# Altium PCB Flight_Controller.PcbDoc (part 1 of 2) (continued)
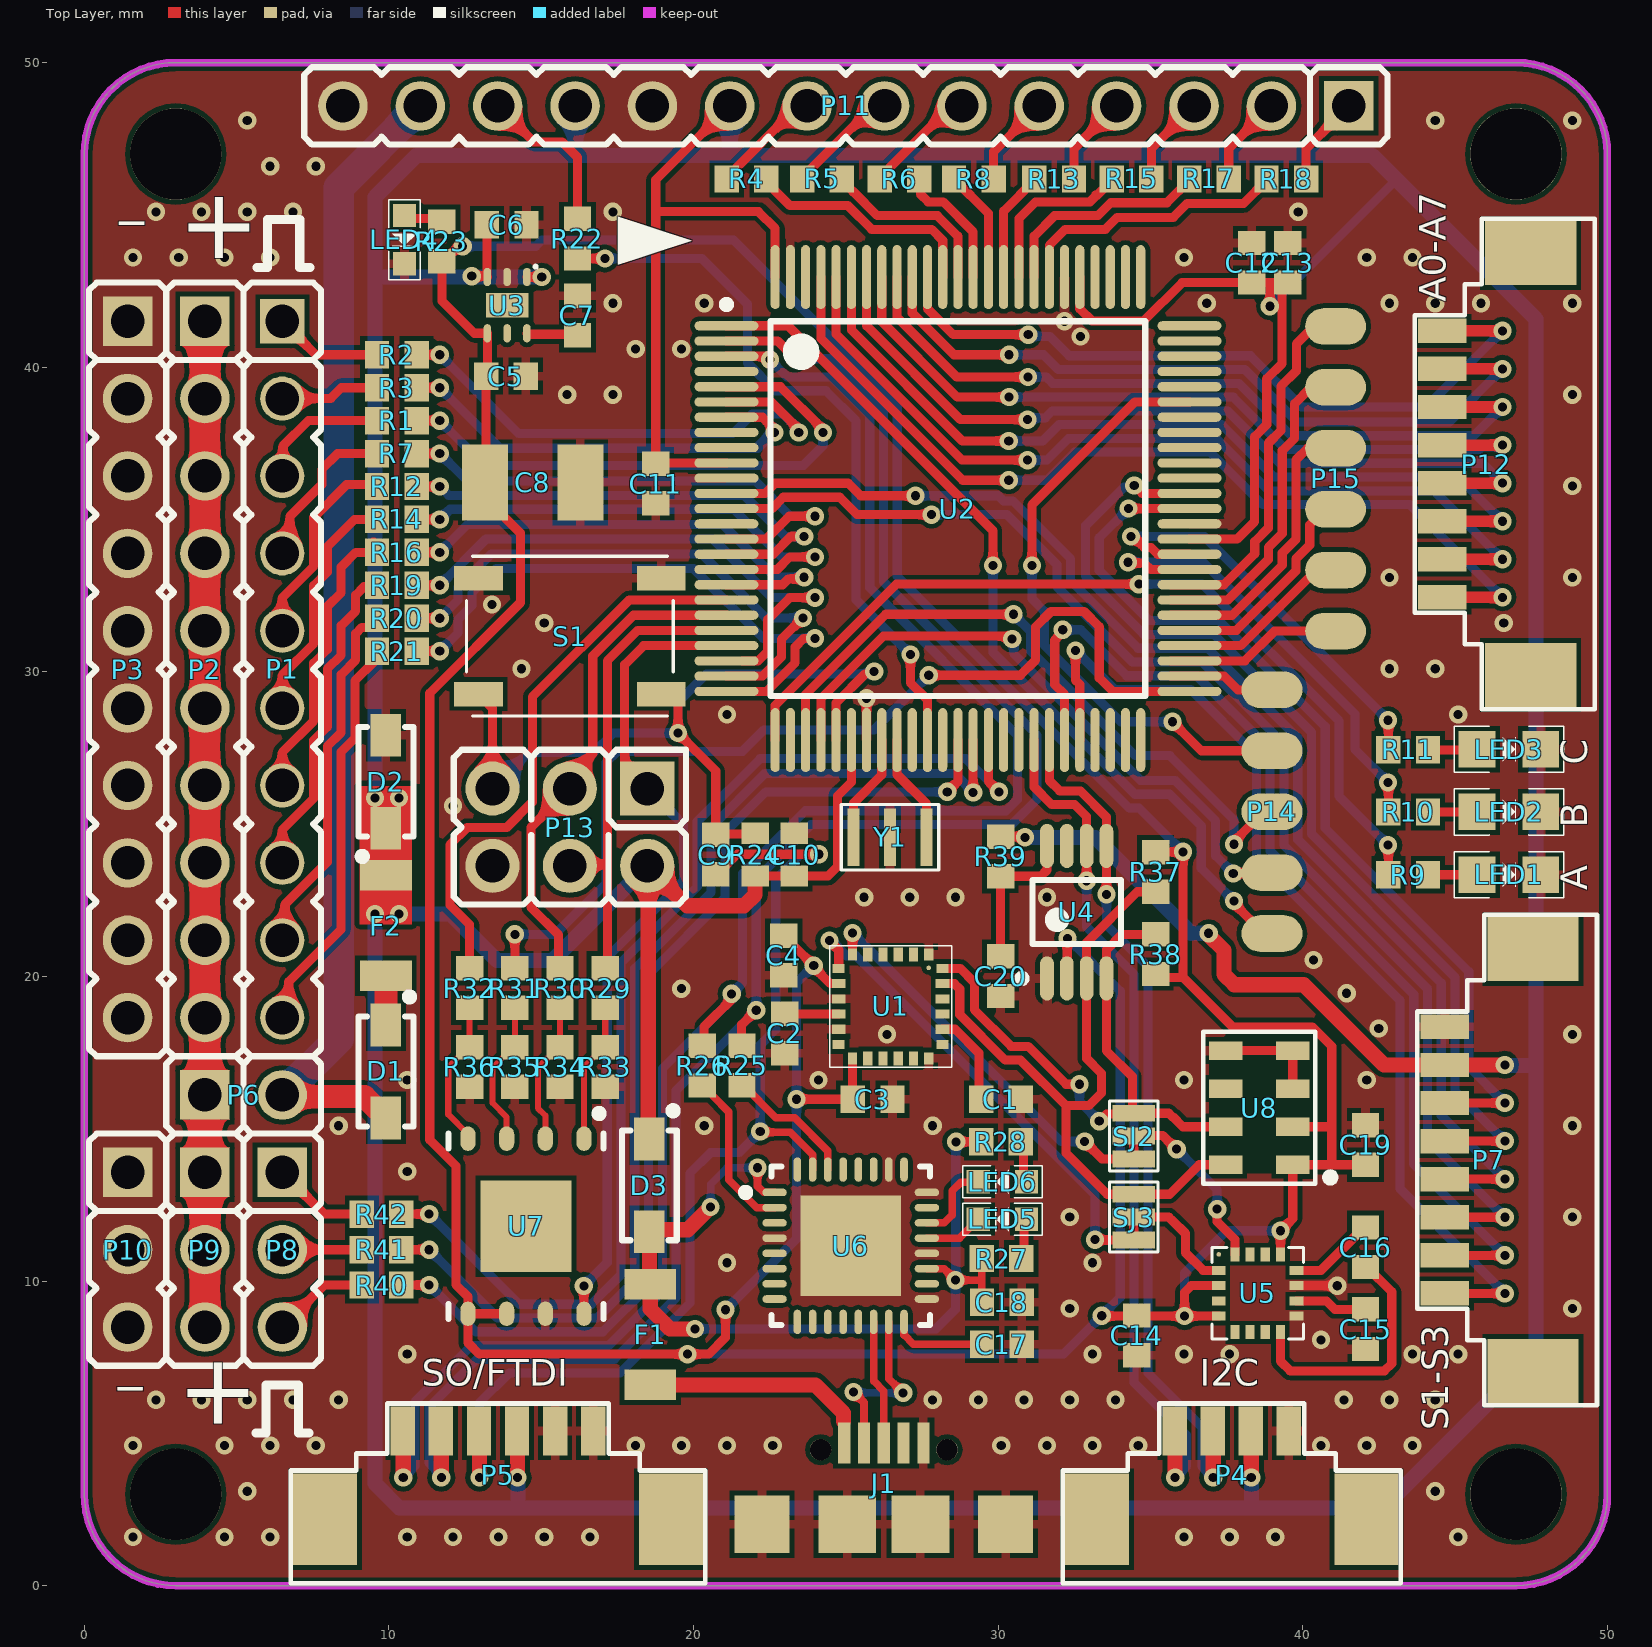
[diagram p0: Top Layer view]
## Footprints (in the part's own frame and the unit in brackets; to place one, negate y for a bottom-side part, rotate by r counter-clockwise, add the part's x,y. Pads: shape width x height; smd on the part's side, far side on the other; paste and mask are expansions set on the pad) (continued)
L0603_RED [mil]
  rect 30x30 smd: 1(31.1,0) 2(-31.1,0)
  silkscreen extent -52,-20 52,20, body extent -32,-16 32,16, height 43
L0805_GRE [mm]
  rect 1.2x1.2 smd: 1(1.05,0) 2(-1.05,0)
  silkscreen extent -1.8,-0.76 1.8,0.76, body extent -1.01,-0.62 1.01,0.63, height 1.1
L0805_RED [mm]
  rect 1.2x1.2 smd: 1(1.05,0) 2(-1.05,0)
  silkscreen extent -1.8,-0.76 1.8,0.76, body extent -1.01,-0.62 1.01,0.63, height 1.1
L0805_YEL [mm]
  rect 1.2x1.2 smd: 1(1.05,0) 2(-1.05,0)
  silkscreen extent -1.8,-0.76 1.8,0.76, body extent -1.01,-0.62 1.01,0.63, height 1.1
"LGA 16 - 3x3" [mm]
  round 0.15 smd mask+0.025: 0(-1.275,1.275)
  rect 0.45x0.3 smd mask+0.05: 1(-1.275,0.75) 2(-1.275,0.25) 3(-1.275,-0.25) 4(-1.275,-0.75) 9(1.275,-0.75) 10(1.275,-0.25) 11(1.275,0.25) 12(1.275,0.75)
  rect 0.3x0.45 smd mask+0.05: 5(-0.75,-1.275) 6(-0.25,-1.275) 7(0.25,-1.275) 8(0.75,-1.275) 13(0.75,1.275) 14(0.25,1.275) 15(-0.25,1.275) 16(-0.75,1.275)
  silkscreen extent -1.5,-1.5 1.5,1.5, body extent -1.5,-1.5 1.5,1.5, height 0.9
"LGA 24" [mm]
  round 0.15 smd mask+0.025: 0(-1.265,1.25)
  rect 0.39x0.3 smd mask+0.05: 1(-1.705,1.25) 6(-1.705,-1.25) 13(1.705,-1.25) 18(1.705,1.25)
  rect 0.45x0.3 smd mask+0.05: 2(-1.705,0.75) 3(-1.705,0.25) 4(-1.705,-0.25) 5(-1.705,-0.75) 14(1.705,-0.75) 15(1.705,-0.25) 16(1.705,0.25) 17(1.705,0.75)
  rect 0.3x0.39 smd mask+0.05: 7(-1.25,-1.705) 12(1.25,-1.705) 19(1.25,1.705) 24(-1.25,1.705)
  rect 0.3x0.45 smd mask+0.05: 8(-0.75,-1.705) 9(-0.25,-1.705) 10(0.25,-1.705) 11(0.75,-1.705) 20(0.75,1.705) 21(0.25,1.705) 22(-0.25,1.705) 23(-0.75,1.705)
  silkscreen extent -2,-2 2,2, body extent -2,-2 2,2, height 1.08
LOGO_ESD [mm]
  silkscreen extent -3.12,-2.13 2.8,3.18
MICRO_USB [mm]
  round 0.7 hole 0.7 unplated mask+0: 0(-2.075,1.115) 0(2.075,1.115)
  rect 0.4x1.35 smd: 1(-1.3,1.34) 2(-0.65,1.34) 3(0,1.34) 4(0.65,1.34) 5(1.3,1.34)
  rect 1.8x1.9 smd: 6(-4,-1.335) 6(4,-1.335)
  rect 1.9x1.9 smd: 6(-1.2,-1.335) 6(1.2,-1.335)
  body extent -3.99,-4.09 3.99,1.34, height 2.72
"MOLEX-CONN-PicoBlade 4POS 1.25MM" [mm] "MOLEX-0530480210"
  rect 2.1x3 smd mask+0.05: 0(-4.425,-1.45) 0(4.425,-1.45)
  rect 0.8x1.6 smd mask+0.05: 1(1.875,1.45) 2(0.625,1.45) 3(-0.625,1.45) 4(-1.875,1.45)
  silkscreen extent -5.55,-3.55 5.55,2.35, body extent -5.07,-3.55 5.07,1.65, height 3.4
"MOLEX-CONN-PicoBlade 6POS 1.25MM" [mm] "MOLEX-0530480210"
  rect 2.1x3 smd mask+0.05: 0(-5.675,-1.45) 0(5.675,-1.45)
  rect 0.8x1.6 smd mask+0.05: 1(3.125,1.45) 2(1.875,1.45) 3(0.625,1.45) 4(-0.625,1.45) 5(-1.875,1.45) 6(-3.125,1.45)
  silkscreen extent -6.8,-3.55 6.8,2.35, body extent -6.32,-3.55 6.32,1.65, height 3.4
"MOLEX-CONN-PicoBlade 8POS 1.25MM" [mm] "MOLEX-0530480210"
  rect 2.1x3 smd mask+0.05: 0(-6.925,-1.45) 0(6.925,-1.45)
  rect 0.8x1.6 smd mask+0.05: 1(4.375,1.45) 2(3.125,1.45) 3(1.875,1.45) 4(0.625,1.45) 5(-0.625,1.45) 6(-1.875,1.45) 7(-3.125,1.45) 8(-4.375,1.45)
  silkscreen extent -8.05,-3.55 8.05,2.35, body extent -7.57,-3.55 7.57,1.65, height 3.4
MS5611-01BA01 [mm] "Board Mount Pressure Sensors"
  rect 1.1x0.6 smd mask+0.05: 1(-1.1,1.875) 2(-1.1,0.625) 3(-1.1,-0.625) 4(-1.1,-1.875) 5(1.1,-1.875) 6(1.1,-0.625) 7(1.1,0.625) 8(1.1,1.875)
  Top Layer pour cut-out: -1.65,1.575 -0.55,1.575 -0.55,2.175 0.55,2.175 0.55,1.575 1.65,1.575 1.65,0.925 0.55,0.925 0.55,0.325 1.65,0.325 1.65,-0.325 0.55,-0.325 0.55,-0.925 1.65,-0.925 1.65,-1.575 0.55,-1.575 0.55,-2.175 -0.55,-2.175 -0.55,-1.575 -1.65,-1.575 -1.65,-0.925 -0.55,-0.925 -0.55,-0.325 -1.65,-0.325 -1.65,0.325 -0.55,0.325 -0.55,0.925 -1.65,0.925
  silkscreen extent -2.6,-2.5 1.84,2.55, body extent -1.5,-2.5 1.5,2.5, height 1.7
"PAD-1x5 2MM" [mm]
  oval 1.2x2 smd: 1(0,0) 2(2,0) 3(4,0) 4(6,0) 5(8,0)
"PAD-1x6 2MM" [mm]
  oval 1.2x2 smd: 1(0,0) 2(2,0) 3(4,0) 4(6,0) 5(8,0) 6(10,0)
"Pin Header 1x3 TH Pitch 2.54mm" [mil] "PinHeader 1x1 TH Pitch 2.54mm"
  rect 64x64 hole 43.31: 1(0,0)
  round 64 hole 43.31: 2(0,-100) 3(0,-200)
  silkscreen extent -50,-250 50,50, body extent -50,-250 50,50, height 374
"Pin Header 1x10 TH Pitch 2.54mm"#1 [mm] "PinHeader 1x1 TH Pitch 2.54mm"
  rect 1.45x1.45 hole 1.1: 1(0,0)
  round 1.45 hole 1.1: 2(0,-2.54) 3(0,-5.08) 4(0,-7.62) 5(0,-10.16) 6(0,-12.7) 7(0,-15.24) 8(0,-17.78) 9(0,-20.32) 10(0,-22.86)
  silkscreen extent -1.27,-24.13 1.27,1.27, body extent -1.27,-24.13 1.27,1.27, height 9.5
"Pin Header 1x10 TH Pitch 2.54mm"#2 [mm] "PinHeader 1x1 TH Pitch 2.54mm"
  rect 1.626x1.626 hole 1.1: 1(0,0)
  round 1.626 hole 1.1: 2(0,-2.54) 3(0,-5.08) 4(0,-7.62) 5(0,-10.16) 6(0,-12.7) 7(0,-15.24) 8(0,-17.78) 9(0,-20.32) 10(0,-22.86)
  silkscreen extent -1.27,-24.13 1.27,1.27, body extent -1.27,-24.13 1.27,1.27, height 9.5
"Pin Header 1x14 TH Pitch 2.54mm" [mil] "PinHeader 1x1 TH Pitch 2.54mm"
  rect 64x64 hole 43.31: 1(0,0)
  round 64 hole 43.31: 2(0,-100) 3(0,-200) 4(0,-300) 5(0,-400) 6(0,-500) 7(0,-600) 8(0,-700) 9(0,-800) 10(0,-900) 11(0,-1000) 12(0,-1100) 13(0,-1200) 14(0,-1300)
  silkscreen extent -50,-1350 50,50, body extent -50,-1350 50,50, height 374
"Pin Header 2x3 TH Pitch 2.54mm" [mil] "PinHeader 1x1 TH Pitch 2.54mm"
  rect 70x70 hole 43.31: 1(0,0)
  round 70 hole 43.31: 2(0,100) 3(100,0) 4(100,100) 5(200,0) 6(200,100)
  silkscreen extent -50,-50 250,150, body extent -50,-50 250,150, height 374
"Pin Header S/M 02x1 TH Pitch 2.54mm" [mil] "PinHeader 1x1 TH Pitch 2.54mm"
  rect 64x64 hole 43.31: 1(0,0)
  round 64 hole 43.31: 2(0,-100)
  silkscreen extent -50,-150 50,50, body extent -50,-150 50,50, height 374
QFN-32 [mm] "32-Pin QFN 0.5 mm Pitch"
  oval 0.8x0.25 smd: 1(2.5,-1.75) 2(2.5,-1.25) 3(2.5,-0.75) 4(2.5,-0.25) 5(2.5,0.25) 6(2.5,0.75) 7(2.5,1.25) 8(2.5,1.75) 17(-2.5,1.75) 18(-2.5,1.25) 19(-2.5,0.75) 20(-2.5,0.25) 21(-2.5,-0.25) 22(-2.5,-0.75) 23(-2.5,-1.25) 24(-2.5,-1.75)
  oval 0.25x0.8 smd: 9(1.75,2.5) 10(1.25,2.5) 11(0.75,2.5) 12(0.25,2.5) 13(-0.25,2.5) 14(-0.75,2.5) 15(-1.25,2.5) 16(-1.75,2.5) 25(-1.75,-2.5) 26(-1.25,-2.5) 27(-0.75,-2.5) 28(-0.25,-2.5) 29(0.25,-2.5) 30(0.75,-2.5) 31(1.25,-2.5) 32(1.75,-2.5)
  rect 3.3x3.3 smd: 33(0,0)
  silkscreen extent -2.6,-2.6 3.57,2.6, body extent -2.5,-2.5 2.5,2.5, height 0.85
R0603(1608)#1 [mm] "Chip Capacitor, Body 1.0x0.5mm, Height 0.6mm, IPC Low Density"
  rect 0.8x0.9 smd mask+0.05: 1(-0.65,0) 2(0.65,0)
  body extent -0.8,-0.4 0.8,0.4, height 0.45
R0603(1608)#2 [mm] "Chip Capacitor, Body 1.0x0.5mm, Height 0.6mm, IPC Low Density"
  rect 0.7x0.9 smd mask+0.05: 1(-0.7,0) 2(0.7,0)
  body extent -0.8,-0.4 0.8,0.4, height 0.45
SOD-123 [mm] "Molded Diode, 2-Leads, Body 3,4x1,6mm, IPC Low Density"
  rect 1.4x1 smd: 1(-1.525,0) 2(1.525,0)
  silkscreen extent -2.57,-0.9 1.8,0.9, body extent -1.85,-0.77 1.85,0.78, height 1.35
SWITCH_PTS525SM15 [mm]
  rect 1.6x0.8 smd mask+0.05: 1(-3,1.9) 2(3,1.9) 3(-3,-1.9) 4(3,-1.9)
  silkscreen extent -3.39,-2.63 3.39,2.62, body extent -3.2,-2.63 3.2,2.62, height 1.5
TANT_C1411(3528) [mm]
  rect 1.5x2.5 smd mask+0.05: 1(-1.566,0) 2(1.566,0)
  body extent -1.75,-1.4 1.75,1.4, height 1.91
XTAL_RESONATOR_3.2x1.3 [mm] "CER RES 16.0000MHZ 15PF SMD AUTO"
  rect 0.4x1.9 smd mask+0.05: 1(-1.2,0) 2(1.2,0) 3(0,0)
  silkscreen extent -1.6,-1.08 1.6,1.08, body extent -1.6,-0.65 1.6,0.65, height 0.7

## Part data
C1 C2 C3 C4 C5 C6 C7 C9 C10 C11 C12 C13 C14 C15 C16 C17 C18 C19 C20: library part Cap, "Capacitor"
C8: library part "Cap Pol1", "Tantalum Capacitor"
D1 D2 D3: library part Diode, "Default Diode", Code_JEDEC=DO-214-AB, LatestRevisionDate=17-Jul-2002, LatestRevisionNote="Re-released for DXP Platform.", PackageDescription="DO-214-AB/SMC; 2 C-Bend Leads; Body 7.9 x 5.9 mm, inc. leads (LxW)", PackageReference=SMC, PackageVersion=Sep-1996, Published=8-Jun-2000, Publisher="Altium Limited"
F1 F2: library part Res2, "Ferrite Bead"
J1: library part MINI_USB, "I/O Connector"
LOGO1: library part MECHANIC
P1: library part "Header 10", "Header, 10-Pin", LatestRevisionDate=17-Jul-2002, LatestRevisionNote="Re-released for DXP Platform.", Publisher="Altium Limited"
P2 P3: "Header, 10-Pin", LatestRevisionDate=17-Jul-2002, LatestRevisionNote="Re-released for DXP Platform.", Publisher="Altium Limited"
P4: library part "Header 4", "Header, 4-Pin"
P5: library part "Header 6", "Header, 6-Pin"
P6: library part "Header 2", "Header, 2-Pin"
P7 P12: library part "Header 8", "Header, 8-Pin"
P8 SJ2 SJ3: library part "Header 3", "Header, 3-Pin", LatestRevisionDate=17-Jul-2002, LatestRevisionNote="Re-released for DXP Platform.", Publisher="Altium Limited"
P9 P10: "Header, 3-Pin", LatestRevisionDate=17-Jul-2002, LatestRevisionNote="Re-released for DXP Platform.", Publisher="Altium Limited"
P11: "Header, 14-Pin", LatestRevisionDate=17-Jul-2002, LatestRevisionNote="Re-released for DXP Platform.", Publisher="Altium Limited"
P13: "JTAG"
P14: "Header, 5-Pin", LatestRevisionDate=17-Jul-2002, LatestRevisionNote="Re-released for DXP Platform.", Publisher="Altium Limited"
P15: "Header, 6-Pin", LatestRevisionDate=17-Jul-2002, LatestRevisionNote="Re-released for DXP Platform.", Publisher="Altium Limited"
R1 R2 R3 R4 R5 R6 R7 R8 R9 R10 R11 R12 R13 R14 R15 R16 R17 R18 R19 R20 R21 R22 R23 R24 R25 R26 R27 R28 R29 R30 R31 R32 R33 R34 R35 R36 R37 R38 R39 R40 R41 R42: library part R, "Resistor"
S1: "Switch", Manufacturer="ITT C&K", Manufacturer Part Number=PTS525SM15SMTR2LFS, Max Operating Temperature=70°C, Min Operating Temperature=-20°C, Operating Force=160gf, Supplier Part Number 1=CKN9104CT-ND, Actuator Material=Nylon,Polyamide, Actuator Type=Standard, Illumination Type=Non-Illuminated, Lead Free="Lead Free", Mechanical Life=1000000Cycles, Mount="Surface Mount", Packaging="Cut Tape", Pricing 1="1 = 0.33000, 10 = 0.32000, 25 = 0.30840, 50 = 0.29680, 100 = 0.28540, 250 = 0.26260, 500 = 0.22834, 1000 = 0.19409 (USD)", RoHS=Yes, Stock 1=389377, Supplier 1=Digi-Key, Switch Function=Off-Mom, Switch Travel=0.25mm, Termination="Gull Wing", Throw Configuration=SPST
U1: library part MPU-9150, "IMU ACCEL/GYRO 3-AXIS I2C 24QFN", Case/Package=QFN, Manufacturer="TDK InvenSense", Max Operating Temperature=85°C, Max Supply Voltage=3.6V, Min Operating Temperature=-40°C, Min Supply Voltage=2.5V, Package Quantity=5000, Supplier Part Number 1=1428-1007-1-ND, ComponentLink1Description=http://www.farnell.com/datasheets/1788002.pdf?src-supplier=Element14, ComponentLink1URL=http://www.farnell.com/datasheets/1788002.pdf?src-supplier=Element14, Height=0.9mm, Interface=I2C, Length=4.1mm, Manufacturer Part Number=MPU-6050, Mount="Surface Mount", Number of Pins=24, Output Type=Digital, Packaging="Cut Tape", Pricing 1="1 = 8.310000, 5 = 7.288000, 10 = 6.559000, 25 = 5.830000, 50 = 5.392800, 100 = 4.664000, 500 = 4.372500, 1000 = 4.081000 (USD)", REACH SVHC="No SVHC", RoHS=Yes, Sensitivity=16384LSB/g, Stock 1=12300, Supplier 1=Digi-Key, Width=4.1mm
U2: library part IC, "IC MCU 8BIT 256KB FLASH 100TQFP", Manufacturer=Atmel, Manufacturer Part Number=ATMEGA2560-16AUR, Operating Temperature="-40°C ~ 85°C", Package / Case=100-TQFP, Supplier Device Package="100-TQFP (14x14)", Supplier Part Number 1=ATMEGA2560-16AURCT-ND, Voltage - Supply (Vcc/Vdd)="4.5 V ~ 5.5 V", Category="Integrated Circuits (ICs)", ComponentLink1Description=http://www.atmel.com/Images/Atmel-2549-8-bit-AVR-Microcontroller-ATmega640-1280-1281-2560-2561_Summary.pdf, ComponentLink1URL=http://www.atmel.com/Images/Atmel-2549-8-bit-AVR-Microcontroller-ATmega640-1280-1281-2560-2561_Summary.pdf, Connectivity="EBI/EMI, I²C, SPI, UART/USART", Core Processor=AVR, Core Size=8-Bit, Data Converters="A/D 16x10b", EEPROM Size="4K x 8", Number of I/O=86, Oscillator Type=Internal, Packaging="Cut Tape (CT)", Peripherals="Brown-out Detect/Reset, POR, PWM, WDT", Pricing 1="1=17.28, 10=15.685, 25=14.5428, 100=13.3245, 250=12.1824, 500=11.34486 (USD)", Program Memory Size="256KB (128K x 16)", Program Memory Type=FLASH, RAM Size="8K x 8", RoHS="RoHS Compliant", Speed=16MHz, Stock 1=9312, Supplier 1=Digi-Key
U3: library part MIC5219-3.3YML, "IC REG LDO 3.3V 0.5A 6MLF", Current - Limit (Min)=-, Current - Output=500mA, Manufacturer="Micrel Inc.", Operating Temperature="-40°C ~ 125°C", Package / Case="6-VQFN Exposed Pad, 6-MLF®", Supplier Device Package="6-MLF® (2x2)", Supplier Part Number 1=576-2768-1-ND, Voltage - Dropout (Typical)="0.35V @ 500mA", Voltage - Input="Up to 12V", Voltage - Output=3.3V, Category="Integrated Circuits (ICs)", ComponentLink1Description=http://www.micrel.com/_PDF/mic5219.pdf, ComponentLink1URL=http://www.micrel.com/_PDF/mic5219.pdf, Manufacturer Part Number="MIC5219-3.3YML TR", Mounting Type="Surface Mount", Number of Regulators=1, Packaging="Cut Tape (CT)", Pricing 1="1=2.74, 10=2.477, 25=2.2188, 100=1.9952, 250=1.7716, 500=1.548, 1000=1.2814, 2500=1.1954 (USD)", Regulator Topology="Positive Fixed", RoHS="RoHS Compliant", Stock 1=10244, Supplier 1=Digi-Key
U4: "Dual bidirectional I2C-bus and SMBus voltage-level translator", Manufacturer="NXP Semiconductors", Manufacturer Part Number=PCA9306DP1,125, Operating Temperature="-40°C ~ 85°C (TA)", Package / Case="8-TSSOP, 8-MSOP (0.118\", 3.00mm Width)", Supplier Device Package=8-TSSOP, Supplier Part Number 1=568-4243-1-ND, Voltage - VCCA="1 V ~ 3.6 V", Voltage - VCCB="1.8 V ~ 5.5 V", Category="Integrated Circuits (ICs)", Channels per Circuit=2, Channel Type=Bidirectional, ComponentLink1Description=http://www.nxp.com/documents/data_sheet/PCA9306.pdf, ComponentLink1URL=http://www.nxp.com/documents/data_sheet/PCA9306.pdf, Data Rate=-, Features="Auto-Direction Sensing", Input Signal=-, Mounting Type="Surface Mount", Number of Circuits=1, Output Signal=-, Output Type="Open Drain", Packaging="Cut Tape (CT)", Pricing 1="1=0.74, 10=0.646, 100=0.494, 500=0.3914, 1000=0.3135 (USD)", RoHS="RoHS Compliant", Stock 1=21322, Supplier 1=Digi-Key, Translator Type="Voltage Level"
U5: "IC COMPASS 3 AXIS I2C 16LCC SMD"
U6: library part IC_FT232RQ, "FT232R USB UART", Current - Supply=15mA, Manufacturer="FTDI, Future Technology Devices International Ltd", Manufacturer Part Number=FT232RQ-REEL, Operating Temperature="-40°C ~ 85°C", Package / Case="32-VFQFN Exposed Pad", Supplier Device Package="32-QFN Exposed Pad (5x5)", Supplier Part Number 1=768-1008-1-ND, Voltage - Supply="3.3 V ~ 5.25 V", Category="Integrated Circuits (ICs)", ComponentLink1Description=http://www.ftdichip.com/Support/Documents/DataSheets/ICs/DS_FT232R.pdf, ComponentLink1URL=http://www.ftdichip.com/Support/Documents/DataSheets/ICs/DS_FT232R.pdf, Function="Bridge, USB to UART", Interface=UART, Packaging="Cut Tape (CT)", Pricing 1="1=4.5, 10=4.05, 50=3.85, 100=3.65, 250=3.25, 500=3.05 (USD)", Protocol=USB, RoHS="RoHS Compliant", Standards="USB 2.0", Stock 1=15537, Supplier 1=Digi-Key
U7: "SPI Flash Memory", Manufacturer="Adesto Technologies", Manufacturer Part Number=AT45DB161E-MHD2B-T, Operating Temperature="-40°C ~ 85°C", Package / Case="8-UDFN Exposed Pad", Supplier Device Package="8-UDFN (5x6)", Supplier Part Number 1=1265-1129-1-ND, Voltage - Supply="2.5 V ~ 3.6 V", Category="Integrated Circuits (ICs)", ComponentLink1Description=http://www.adestotech.com/wp-content/uploads/doc8782.pdf, ComponentLink1URL=http://www.adestotech.com/wp-content/uploads/doc8782.pdf, Format - Memory=FLASH, Interface="SPI, RapidS", Memory Size="16M (4096 pages x 512 bytes)", Memory Type=DataFLASH, Packaging="Cut Tape (CT)", Pricing 1="1=2.67, 10=2.398, 25=2.36, 50=2.353, 100=2.1022, 250=2.03436, 500=2.0263, 1000=1.88715, 2500=1.8561 (USD)", RoHS="RoHS Compliant", Speed=85MHz, Stock 1=6995, Supplier 1=Digi-Key
U8: library part SENSOR, "Barometric Pressure Sensor"
Y1: library part XTAL, "CER RES 16.0000MHZ 15PF SMD AUTO", Supplier Part Number 1=490-17949-1-ND, Supplier 1=Digi-Key

## Free pads (board coordinates)
  round 3 hole 3 unplated: 0(3,3) 0(3,47) 0(47,3) 0(47,47)

## Via types
v1: diameter 0.6, hole 0.3, Top Layer to Bottom Layer, tented both sides, 245 vias

## Nets (pads, with @x,y where several pads share a name; then routed paths per layer and width w, separated by ;. In a path a pad name is that pad's centre, name@x,y a point inside that pad or via, vN(x,y) a via of type N, cw(c..) or ccw(c..) an arc to the next point about the centre after c; other vN are vias at no path point)
3V3: C3.2 C4.2 C5.2 C8.1 C14.2 C19.2 R23.2 R37.2 R38.2 U1.8 U1.13 U3.4 U4.2 U5.2 U5.4 U5.13 U7.5 U7.6 U8.1 U8.2 | length 167
  Top Layer w0.3: v1(12.42,43.97) 12.28,43.97 11.79,43.48 R23.2@11.74,43.48 11.74,42.18 12.805,41.115 U3.4@13.23,41.115 13.23,39.75 C5.2@13.19,39.71 C8.1@13.19,36.22 ; C8.1@13.154,36.22 13.154,35.72 C8.1@13.742,35.132 ; C8.1@13.742,35.95 C8.1@13.742,35.132 ; U7.6@13.865,8.925 U7.5@12.595,8.925 ; v1(21.05,9.06) 21.05,8.15 20.5,7.6 v1(19.8,7.6) 12.97,7.6 12.595,7.975 U7.5@12.595,8.925 ; C4.2@22.96,21.34 v1@23.898,20.402 ; v1(23.38,15.97) C3.2@25.23,15.97 25.22,15.98 U1.13@25.22,17.31 ; v1@23.898,20.36 24.493,19.765 U1.8@24.765,19.765 ; U4.2@32.255,19.935 32.267,19.947 32.267,21.238 v1(32.28,21.25) ; v1(33.4,8.86) 33.41,8.85 v1(36.12,8.85) ; R38.2@35.17,20.08 35.28,19.97 36.07,19.97 ; R37.2@35.18,24.09 v1(36.065,24.09) 36.07,24.085 36.07,19.97 ; U5.4@37.245,8.85 v1(36.12,8.85) ; U5.2@37.245,9.85 36.34,9.85 36.12,9.63 v1(36.12,8.85) ; U5.13@39.27,10.875 v1(39.27,11.65) 39.67,12.05 U8.1@39.67,13.815 39.672,13.817 40.95,13.817 ; U8.2@39.67,15.065 40.935,15.065 ; C19.2@42.06,13.82 42.058,13.817 40.95,13.817 ; U7.5@12.595,8.925 12.595,9.485 12.198,9.882 12.198,13.782 11.34,14.64 11.34,29.297 14.32,32.277 14.32,34.554 C8.1@13.742,35.132 ; 36.07,19.97 37.695,18.345 40.31,18.345 40.95,17.705 40.95,13.817
  Bottom Layer w0.3: v1(12.42,43.97) 14.819,43.97 15.021,44.172 21.316,44.172 26.688,38.8 26.688,33.144 34.304,25.528 34.627,25.528 v1(36.065,24.09) ; v1(19.8,7.6) 32.14,7.6 v1(33.4,8.86) 34.01,9.47 34.01,19.52 v1(32.28,21.25) ; v1(21.05,9.06) 23.38,11.39 v1(23.38,15.97) 23.38,19.79 v1(23.945,20.355) ; v1(36.12,8.85) 36.12,10.27 37.5,11.65 v1(39.27,11.65)
5V: C6.2 C10.2 C11.2 C12.2 C13.2 D2.1 D3.1 F2.2 P4.2 P5.3 P7.2 P11.9 P11.11 P13.2 R24.1 R39.2 U2.10 U2.31 U2.61 U2.80 U2.100 U3.1 U3.3 | length 276.4
  Top Layer w0.3: v1(12.72,42.99) 13.205,42.99 U3.3@13.223,42.973 ; C6.2@13.215,44.68 13.223,44.672 U3.3@13.223,42.973 ; U3.3@13.23,42.965 U3.3@13.223,42.973 ; U3.1@14.53,42.965 v1(15.015,42.965) ; U2.10@21.08,36.86 18.79,36.86 C11.2@18.76,36.83 18.76,45.11 ; P11.9@21.131,48.58 P11.9@21.19,48.58 18.76,46.15 18.76,45.11 ; R24.1@22.02,23.3 C10.2@23.3,23.3 24.42,23.3 24.722,23.602 24.722,25.922 25.18,26.38 U2.31@25.18,27.76 ; U2.100@22.68,42.96 22.68,44.56 22.13,45.11 18.76,45.11 ; R39.2@30.08,24.59 30.09,24.6 30.844,24.6 v1(30.878,24.566) ; U2.80@32.68,42.96 32.68,41.921 33.081,41.52 34.779,41.52 36.039,42.78 C12.2@38.32,42.78 38.87,42.78 ; U2.61@36.28,34.36 37.846,34.36 38.42,34.934 38.42,37.72 38.82,38.12 38.82,39.62 39.32,40.12 39.32,42.78 38.87,42.78 ; v1@36.91,21.359 v1(36.91,21.42) ; v1(38.92,42) 38.92,42.73 38.87,42.78 ; C13.2@39.46,42.78 C13.2@39.51,42.78
  Top Layer w0.5: P5.3@14.19,5.095 P5.3@14.205,5.08 ; v1(14.22,3.55) P5.3@14.22,5.065 ; P13.2@18.48,23.63 P13.2@18.515,23.595 ; D3.1@18.55,14.665 18.515,14.7 P13.2@18.515,23.595 ; R24.1@21.92,23.3 R24.1@22.02,23.3 22.02,22.68 21.66,22.32 19.79,22.32 P13.2@18.515,23.595 ; v1@36.91,21.359 37.41,20.859 37.41,20.07 37.75,19.73 40.03,19.73 42.665,17.095 P7.2@44.66,17.095 v1(46.635,17.095) ; v1(38.31,3.55) P4.2@38.31,5.065
  Top Layer w0.75: F2.2@9.9,23.32 D2.1@9.9,24.865
  Bottom Layer w0.3: v1(38.92,42) 43.055,46.135 43.055,46.185
  Bottom Layer w0.5: v1(10.33,25.86) v1(9.54,25.86) ; 14.19,2.55 38.32,2.55 ; v1@14.19,3.55 14.24,3.5 14.24,2.55 10.34,2.55 9.54,3.35 v1(9.54,22.05) ; v1(15.015,42.965) 9.585,42.965 9.54,43.01 ; P11.11@16.11,48.58 16.11,46.95 ; P13.2@18.48,23.63 15.371,20.52 13.55,20.52 12.02,22.05 v1(10.33,22.05) v1(9.54,22.05) ; P11.9@21.19,48.58 21.19,46.95 ; v1(30.878,24.566) 33.194,24.566 36.34,21.42 v1(36.91,21.42) ; v1(38.31,3.55) 38.32,3.54 38.32,2.55 ; v1(46.635,17.095) 46.654,17.076 47.634,17.076 47.66,17.05 ; v1(9.54,22.05) v1(9.54,25.86) ; v1(9.54,25.86) 9.54,43.01 ; 9.54,43.01 9.54,45.59 10.9,46.95 16.11,46.95 ; 16.11,46.95 21.19,46.95 ; 21.19,46.95 42.29,46.95 43.055,46.185 47.66,41.58 47.66,17.05 ; 38.32,2.55 42.64,2.55 47.66,7.57 47.66,17.05
5V-IN: D1.2 P6.2 P11.13 | length 38.1
  Top Layer w0.75: P6.2@6.5,16.11 6.555,16.055 9.2,16.055 D1.2@9.9,15.355
  Bottom Layer w1: P6.2@6.5,16.11 8.35,17.96 8.35,45.9 P11.13@11.03,48.58
5V_ESC: P2.1 P2.2 P2.3 P2.4 P2.5 P2.6 P2.7 P2.8 P2.9 P2.10 P6.1 P9.1 P9.2 P9.3 | length 33
  Top Layer w1: P9.3@3.96,8.49 P9.2@3.96,11.03 P9.1@3.96,13.57 P2.10@3.96,18.65 P2.9@3.96,21.19 P2.8@3.96,23.73 P2.7@3.96,26.27 P2.6@3.96,28.81 P2.5@3.96,31.35 P2.4@3.96,33.89 P2.3@3.96,36.43 P2.2@3.96,38.97 P2.1@3.96,41.51
D\T\R\: C9.1 P5.4 U6.31 | length 35.8
  Top Layer w0.25: v1(22.19,14.91) 22.215,14.885 23.175,14.885 23.91,14.15 U6.31@23.91,13.66
  Top Layer w0.3: C9.1@20.73,23.35 20.78,23.35 21.44,24.01 v1(24.12,24.01)
  Top Layer w0.5: v1(12.97,3.55) P5.4@12.97,5.065
  Bottom Layer w0.3: v1(12.97,3.55) 12.97,6 13.948,6.978 17.583,6.978 19.88,9.275 19.88,13.54 20.56,14.22 21.5,14.22 v1(22.19,14.91) 22.19,17.751 22.7,18.261 22.7,23.19 23.52,24.01 v1(24.12,24.01)
GND: C1.1 C2.1 C3.1 C4.1 C5.1 C6.1 C7.1 C8.2 C10.1 C11.1 C12.1 C13.1 C14.1 C15.1 C17.1 C18.1 C19.1 C20.1 D2.2 J1.5 J1.6 LED1.2 LED2.2 LED3.2 LED4.2 P3.1 P3.2 P3.3 P3.4 P3.5 P3.6 P3.7 P3.8 P3.9 P3.10 P4.1 P5.1 P5.2 P7.1 P10.1 P10.2 P10.3 P11.10 P11.14 P13.6 R33.2 R34.2 R35.2 R36.2 S1.1 S1.2 U1.1 U1.9 U1.11 U1.18 U2.11 U2.32 U2.62 U2.81 U2.99 U3.2 U4.1 U5.9 U5.11 U6.4 U6.17 U6.20 U6.24 U6.26 U6.33 U7.7 U8.3 U8.4 U8.5 Y1.3 | length 6.2
  Top Layer w0.3: U2.32@25.68,27.76 v1(25.68,29.13) ; U8.5@37.47,17.565 U8.4@39.67,17.565 U8.3@39.67,16.315 ; U5.11@39.795,9.85 41.128,9.85 v1(41.13,9.848)
  other v1: 1.6,1.6 4.6,1.6 6.1,1.6 10.6,1.6 12.1,1.6 13.6,1.6 15.1,1.6 16.6,1.6 36.1,1.6 37.6,1.6 39.1,1.6 45.1,1.6 5.35,3.1 44.35,3.1 1.6,4.6 4.6,4.6 6.1,4.6 7.6,4.6 18.1,4.6 19.6,4.6 21.1,4.6 22.6,4.6 30.1,4.6 31.6,4.6 33.1,4.6 34.6,4.6 40.6,4.6 42.1,4.6 43.6,4.6 2.35,6.1 3.85,6.1 5.35,6.1 6.85,6.1 8.35,6.1 27.85,6.1 29.35,6.1 30.85,6.1 32.35,6.1 33.85,6.1 41.35,6.1 42.85,6.1 44.35,6.1 10.6,7.6 33.1,7.6 36.1,7.6 37.6,7.6 43.6,7.6 45.1,7.6 40.6,8.07 32.35,9.1 48.85,9.1 21.1,10.6 33.1,10.6 32.35,12.1 48.85,12.1 10.6,13.6 8.35,15.1 20.35,15.1 27.85,15.1 48.85,15.1 10.6,16.6 24.1,16.6 36.1,16.6 42.1,16.6 26.35,18.1 48.85,18.1 42.497,18.29 41.44,19.45 19.6,19.6 40.35,20.54 25.6,22.6 27.1,22.6 28.6,22.6 31.6,22.6 12.1,25.6 21.1,28.6 45.1,28.6 14.35,30.1 42.85,30.1 44.35,30.1 15.1,31.6 46.6,31.6 13.38,32.21 42.85,33.1 48.85,33.1 48.85,36.1 15.85,39.1 17.35,39.1 48.85,39.1 18.1,40.6 19.6,40.6 32.7,41.008 32.18,41.51 17.35,42.1 20.35,42.1 36.85,42.1 42.85,42.1 44.35,42.1 45.85,42.1 48.85,42.1 1.6,43.6 3.1,43.6 4.6,43.6 6.1,43.6 36.1,43.6 42.1,43.6 43.6,43.6 2.35,45.1 3.85,45.1 5.35,45.1 6.85,45.1 17.35,45.1 39.85,45.1 6.1,46.6 7.6,46.6 5.35,48.1 44.35,48.1 48.85,48.1
MISO: P13.4 R29.2 U2.21 | length 15.7
  Top Layer w0.3: P13.4@15.94,23.63 15.99,23.68 17.17,23.68 ; R29.2@17.17,20.27 17.17,23.68 ; U2.21@21.08,31.36 18.168,31.36 17.17,30.362 17.17,23.68
MOSI: P13.1 U2.22 U7.8 | length 27
  Top Layer w0.3: v1@16.398,9.8 16.398,8.932 U7.8@16.405,8.925 ; P13.1@18.48,26.17 17.738,26.912 17.738,30.238 18.36,30.86 U2.22@21.08,30.86
  Bottom Layer w0.3: v1(16.398,9.84) 17.168,10.61 17.168,20.634 19.671,23.137 19.671,24.979 P13.1@18.48,26.17
NetC1_2: C1.2 U1.20 | length 3
  Top Layer w0.3: U1.20@28.175,18.265 28.587,18.265 29.37,17.482 C1.2@29.37,15.97
NetC2_2: C2.2 U1.10 | length 1.5
  Top Layer w0.3: C2.2@23.29,18.78 23.305,18.765 U1.10@24.765,18.765
NetC7_2: C7.2 U3.6 | length 1.7
  Top Layer w0.3: U3.6@14.53,41.115 14.53,41.107 14.555,41.082 16.158,41.082 C7.2@16.19,41.05
NetC15_2: C15.2 U5.10 | length 2.4
  Top Layer w0.3: U5.10@39.795,9.35 40.776,9.35 41.056,9.07 C15.2@42.06,9.07
NetC16_1: C16.1 U5.8 | length 8.4
  Top Layer w0.3: U5.8@39.27,8.325 39.27,7.37 39.59,7.05 42.68,7.05 42.92,7.29 42.92,9.65 42.11,10.46 C16.1@42.06,10.46
NetC16_2: C16.2 U5.12 | length 2.8
  Top Layer w0.3: U5.12@39.795,10.35 40.6,10.35 42.01,11.76 C16.2@42.06,11.76
NetC20_2: C20.2 R39.1 U4.8 | length 5
  Top Layer w0.3: C20.2@30.08,20.66 R39.1@30.08,23.29 31.4,23.29 31.605,23.495 U4.8@31.605,24.285
NetD1_1: D1.1 F2.1 | length 1.6
  Top Layer w0.75: D1.1@9.9,18.405 F2.1@9.9,20.02
NetF1_1: F1.1 J1.1 | length 7
  Top Layer w0.5: F1.1@18.58,6.59 24,6.59 24.92,5.67 24.92,5.4
NetLED1_1: LED1.1 R9.1 | length 1.6
  Top Layer w0.3: R9.1@44.11,23.34 LED1.1@45.72,23.34
NetLED2_1: LED2.1 R10.1 | length 1.6
  Top Layer w0.3: R10.1@44.11,25.4 LED2.1@45.72,25.4
NetLED3_1: LED3.1 R11.1 | length 1.6
  Top Layer w0.3: R11.1@44.11,27.44 45.7,27.44 LED3.1@45.72,27.46
NetLED4_1: LED4.1 R23.1 | length 1.3
  Top Layer w0.3: LED4.1@10.51,44.98 10.61,44.88 11.64,44.88 R23.1@11.74,44.78
NetLED5_1: LED5.1 R27.1 | length 1.4
  Top Layer w0.3: R27.1@30.76,10.74 30.845,10.825 30.845,11.945 LED5.1@30.93,12.03
NetLED6_1: LED6.1 R28.1 | length 1.4
  Top Layer w0.3: R28.1@30.74,14.57 30.835,14.475 30.835,13.355 LED6.1@30.93,13.26
NetP1_1: P1.1 R2.1 | length 3.6
  Top Layer w0.3: P1.1@6.5,41.51 7.6,40.41 R2.1@9.61,40.41
NetP1_2: P1.2 R3.1 | length 3.3
  Top Layer w0.2: P1.2@6.5,38.97 P1.2@6.509,38.979
  Top Layer w0.3: P1.2@6.509,38.979 8.089,38.979 8.439,39.329 R3.1@9.61,39.329
NetP1_3: P1.3 R1.1 | length 4.4
  Top Layer w0.2: P1.3@6.5,36.43 P1.3@6.52,36.45
  Top Layer w0.3: P1.3@6.52,36.45 6.52,37.413 7.354,38.248 R1.1@9.61,38.248